# KiCad board MainPCB.kicad_pcb (continued)
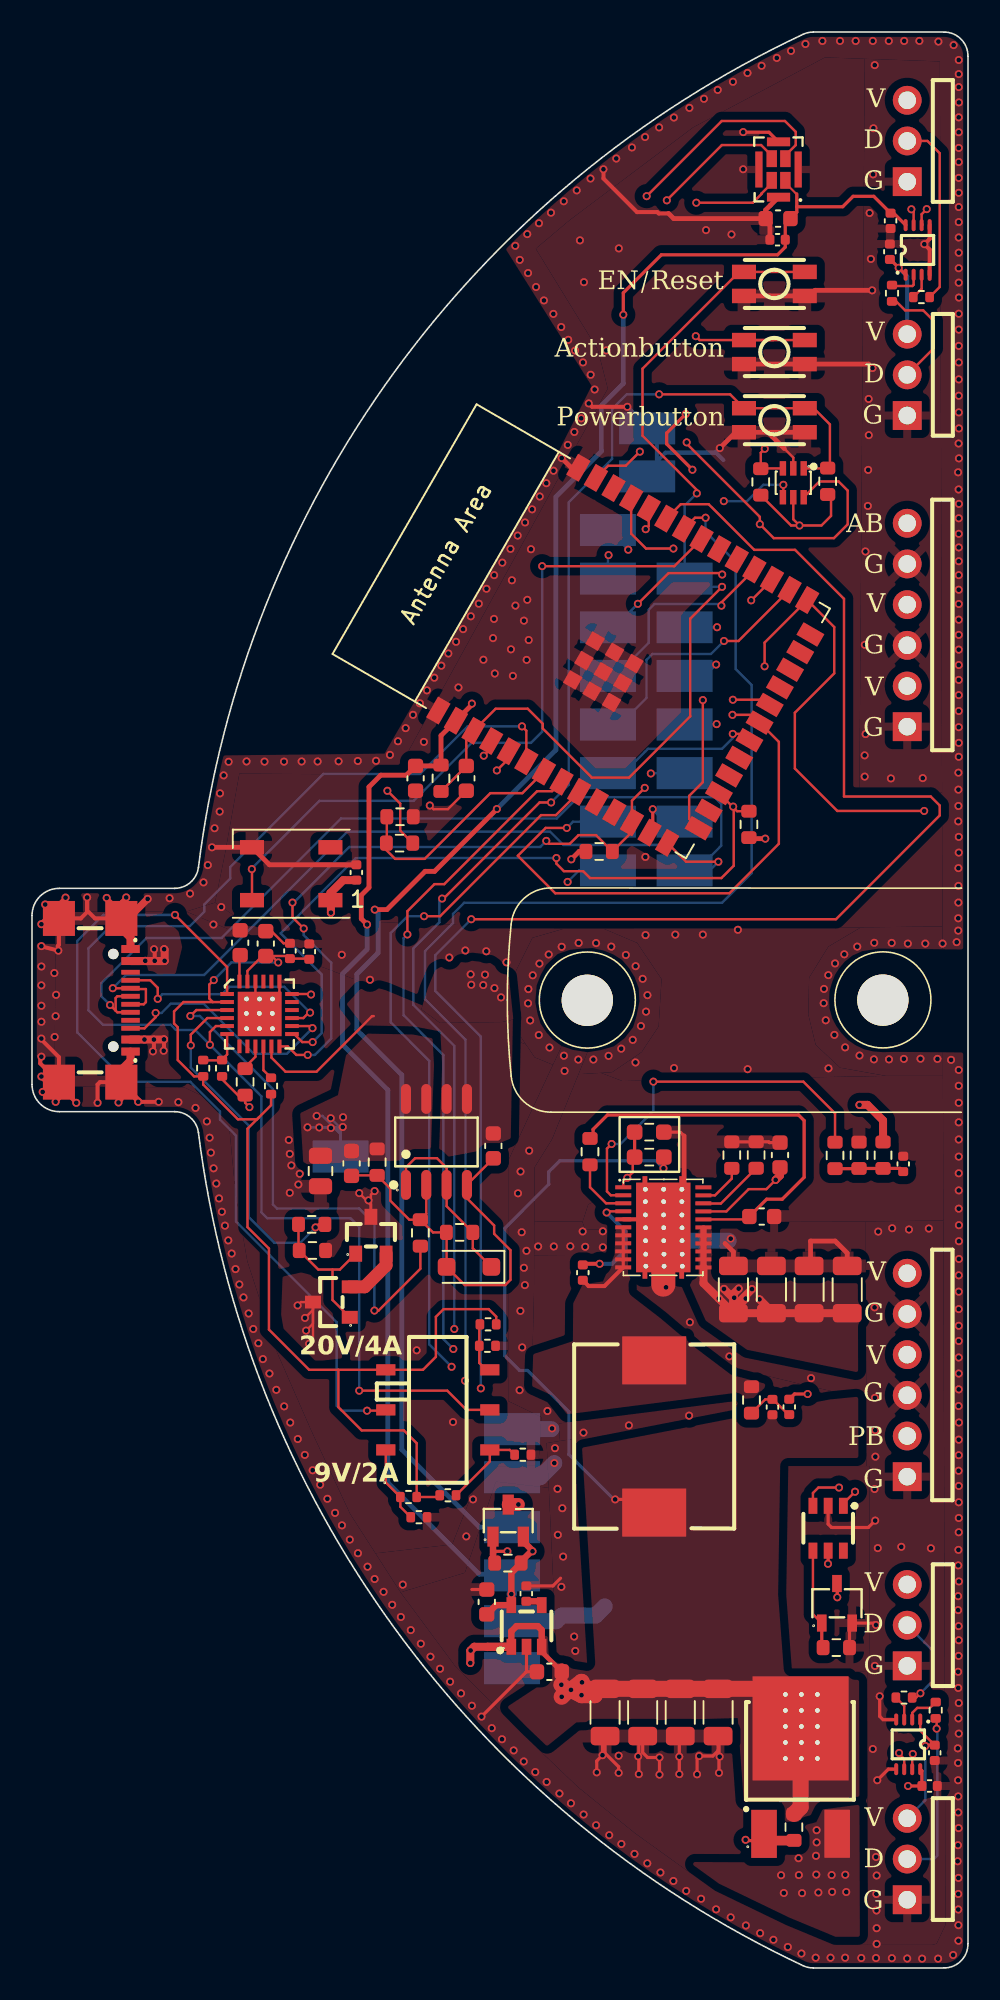
[diagram p0: board, top side]
## Routing (per net, layer and track width the routed paths; a pad name or vN(x,y) marks a point on that pad's centre or on a via; arc(x,y) is an arc through that point) (continued)
Net-(U11-G): length 47.2
  Top w0.2: v1(50.32,23.14) 50.32,23.98 U12.3 ; 47.61,7.97 47.59,7.95 ; v1(29.71,26.01) 28.99,26.01 28.81,25.83 ; U9.1 46.16,7.95 44.64,7.95 v1(44.59,8) ; 28.81,25.38 28.91,25.28
  Top w0.4: U11.1 28.81,25.38
  Top w0.6: 47.59,7.95 46.16,7.95
  In2.Cu w0.2: v1(29.71,26.01) 32.58,23.14 v1(50.32,23.14) 50.32,12.6 45.72,8 v1(44.59,8)
Net-(U13-BYP): length 1.1
  Top w0.4: U13.4 31.61,22.89 C22.2
Net-(U14-A1): length 2.2
  Top w0.15: U14.2 55,15.92 55.31,16.24 56.1,16.24 R26.1
Net-(U14-A2): length 1.6
  Top w0.15: U14.3 54.5,16.36 R27.1
Net-(U24-A1): length 2
  Top w0.15: R24.1 53.79,105 55.01,105 55.09,105.08 U24.2
Net-(U24-A2): length 1.6
  Top w0.15: U24.3 55.59,104.83 R25.1

## Copper pours and planes (outline as drawn; the poured copper is in the pictures)
5V AFTER MOSFET on Top: 49.4,9.9 49.01,9.1 48.21,8.9 48.17,7.24 46.86,7.24 46.59,6.59 39.97,6.62 44.06,3.89 48.49,1.6 52.24,1.13 52.29,10.27
5V AFTER MOSFET on Bottom: 50.87,45.04 55.89,45.16 55.88,42.12 50.79,42.12
5V AFTER MOSFET on Bottom: 50.85,39.74 55.87,39.86 55.86,36.82 50.77,36.82
5V AFTER MOSFET on Bottom: 50.84,86.68 55.86,86.8 55.85,83.76 50.76,83.76
5V AFTER MOSFET on Bottom: 51.03,118.32 56.05,118.44 56.04,115.4 50.95,115.4
5V AFTER MOSFET on Bottom: 50.94,103.68 55.96,103.8 55.95,100.76 50.86,100.76
5V AFTER MOSFET on Bottom: 60,-1.64 32.26,-2.55 33.82,21.28 32.5,36.01 40.64,44.33 36.25,55.92 37.82,63.99 44.76,65.9 46.24,68.74 46.34,90.13 43.39,95.12 43.59,124.05 63.56,124.46
5V AFTER MOSFET on Bottom: 51.13,25.33 56.15,25.45 56.14,22.41 51.05,22.41
5V AFTER MOSFET on Bottom: 50.82,81.57 55.84,81.69 55.83,78.65 50.74,78.65
5V AFTER MOSFET on Bottom: 51,10.82 56.02,10.94 56.01,7.9 50.92,7.9
+5V on Top: 31.42,20.73 32.66,20.73 32.8,19.34 34.04,18.74 33.03,32.22 49.85,35.49 51.99,35.7 52.1,30.41 51.95,10.4 49.01,9.1 46.92,9.13 46.86,10.34 44.48,10.37 44.1,15.6 34.02,15.33 31.66,13.42 29.11,15.92 32.2,17.95 32.33,18.49 31.29,19.37
+5V on Top: 16.82,43.42 15.66,43.16 15.57,40.78 15.72,39.91 17.73,37.87 19.41,38.06 18.79,40.85 18.16,43.08
+5V on Bottom: 31.6,20.25 27.12,20.28 26.81,18.3 32.28,16.24 34.93,16.19 35.19,18.21 33.03,18.9 31.18,20.21
+5V on Bottom: 46.38,19.28 51.72,19.16 51.76,11.14 46.43,11.29
+5V on In1.Cu: 45.18,21.56 45.15,8.2 46.44,5.88 51.31,6.49 51.27,20.41 46.44,21.55
+5V on In2.Cu: 18.23,65.9 17.4,64.67 23.94,61.3 24.58,60.69 24.39,56.08 23,46.35 19.72,46.07 18.91,46.66 17.5,51.18 11.7,51.41 14.7,40.54 19.02,30.81 24.26,22.25 30.58,14.67 35.38,16.3 42.7,16.23 42.55,18.48 33.24,18.33 31.35,18.17 24.69,26.81 21.32,32.32 18.4,37.7 16.65,44.66 22.08,44.92 23.72,45.31 24.38,47.72 25.68,56.36 25.64,61.4 24.93,62.5 19.59,65.62
GND on Top: 36.39,46.58 31.24,46.61 31.18,44.49 36.4,44.53
GND on Top: 21.07,25.84 26.26,26.44 28.14,31.23 31.65,31.41 31.83,34.39 29.76,35.39 29.76,50.4 33.1,57.55 34.71,57.17 32.5,51.74 31.4,49.97 31.37,42.15 31.25,37.28 31.25,36.31 32.53,35.73 33.5,34.48 33.26,30.65 33.16,29.87 28.99,30.36 27.05,24.67 23.03,23.45
GND on Top: 41.11,43.99 37.77,44.07 37.79,42.34 39.57,40.97 41.81,39.08 43.92,37.49 45.99,36.95 48.66,36.3 52.45,35.47 52.5,37 44.68,38.59 42.1,40.41 40.88,43.15 41.04,43.49
GND on Top: 36.39,46.58 35.74,46.87 35.78,47.56 35.92,47.76 35.62,48.1 34.76,47.67 34.4,46.56 34.57,46.11 36.04,46.1
GND on Top: 52.43,18.48 47.49,18.55 47.13,23.32 47.26,31.33 52.32,31.33 52.35,19.68
GND on Top: 32.93,33.99 44.03,35.4 44.2,34.09 33.03,32.22
GND on Top: 11.44,66.51 12.75,65.62 33.21,64.87 51.79,64.96 53.35,55.69 36.89,55.37 15.57,63.46 9.64,65.95
GND on Top: 33.83,33.03 34.69,19.05 32.8,19.34 32.16,32.77
GND on Top: 42.43,46.56 52.1,46.6 52.77,44.73 42.43,44.69
GND on Top, Bottom: 57.18,75.14 57.09,75.96 56.73,119.02 52.04,119.54 51.7,73.17 57.33,73.4
GND on Top, Bottom, In1.Cu, In2.Cu: 59.12,65.05 51.79,64.96 49.76,63.76 48.56,61.82 48.51,59.52 48.97,57.63 50.5,56.2 53.35,55.69 59.72,55.69
GND on Top, Bottom, In1.Cu, In2.Cu: -8.95,132.65 70.74,134.11 70.02,-8.91 -21.33,-6.36
GND on Top, Bottom, In1.Cu, In2.Cu: -89.12,146.67 187.27,148.31 188.58,-43.5 -90.1,-43.82 56.53,1.52 57.08,2.69 56.73,119.02 49.55,119.27 41.32,114.91 33.58,109.1 31.48,107.33 35.36,101.02 35.98,98.6 23.03,75.07 22.02,74.5 12.96,74.56 12.06,69.55 11.44,66.51 9.64,65.95 1.48,65.95 1.42,55.42 2.04,55.03 9.52,54.97 11.27,54.13 12.28,53 12.73,48.27 13.46,44.11 15.32,38.42 17.46,33.53 19.88,28.35 23.03,23.45 26.41,18.89 30.58,14.67 34.12,11.29 37.67,8.42 42.68,4.82 47.12,2.68 50.11,1.44 56.9,1.44 -88.33,-43.33
GND on Top, Bottom, In1.Cu, In2.Cu: 33.21,64.87 35.74,64.87 37.82,63.99 39.34,61.73 39.16,58.78 38.09,57.17 36.25,55.92 33.99,55.79 31.41,56.85 30.07,58.83 30.03,61.82 31.27,64.31
GND on Top, Bottom, In2.Cu: 57.14,45.57 57.2,45.34 57.65,1.2 52.24,1.13 52.1,46.6 57.31,46.67
GND on Bottom: 33.43,36.54 31.83,34.38 30.09,36.07 28.73,37.29 28.21,38.37 28.44,47.05 31.68,50.77 32.89,51.96 39.68,52.22 40.49,51.1 40.9,50.72 40.81,49.49 40.61,48.51 38.59,48.33 33.73,48.75 31.88,46.79 31.39,45.8 31.2,39.07
GND on Bottom: 38.58,59.07 36.25,55.92 37.61,51.71 40.2,52.46 41.24,54.19 41.71,55.82 40.31,56.79 38.47,58.41
GND on Bottom: 33.04,9.61 36.28,16.48 35.61,20.11 34.35,22.49 34.1,25.03 33.99,28.1 33.5,31.75 33.29,35.21 34.83,37.21 39.04,41.3 41.59,43.12 41.7,48.89 41.19,49.68 38.85,50.15 37.69,52.7 36.8,55.39 36.45,56.66 37.53,56.85 38.5,57.9 39.2,60.16 39.34,61.73 38.66,63.11 38.3,63.82 41.15,64.77 44.76,65.9 45.9,67.45 47.23,69.97 46.56,90.71 43.39,95.12 43.55,116.79 42.61,116.25 42.5,107.03 42.45,96.85 42.45,94.71 45.65,90.47 45.98,89.99 45.96,85.19 45.92,79.06 45.86,69.37 45.27,67.79 44.29,66.44 37.35,64.2 37.58,63.07 35.54,57.3 35.56,55.92 37.9,50.04 37.52,49.27 37.62,43 37.62,41.23 34.57,38.16 32.5,36.01 31.07,35.17 31.83,33.15 32.24,29.16 32.56,23.84 32.91,21.24 33.25,19.26 34.88,18.69 35.2,17.86 34.93,16.19 32.22,11.26
GND on Bottom: 33.37,31.25 35.98,28.56 36.87,28.5 37.28,29.06 37.25,29.81 36.48,30.46 34.18,32.62 34.14,34.75 33.75,35.56 33.16,36.01 33.78,36.39 34.82,35.39 35.01,33.35 35.37,32.63 37.83,30.72 38.37,29.73 37.92,28.25 36.76,27.41 35.77,27.73 34.54,28.46 33.58,29.45
GND on Bottom: 32.28,16.24 34.93,16.19 34.06,12.99 32.03,13.25
GND on In1.Cu: 36.75,49.6 43.02,49.54 42.17,42.64 36.42,42.67
GND on In1.Cu: -99.25,156.16 197.64,156.16 197.64,-53.45 -98.91,-53.8
GND on In2.Cu: 34.26,47.2 34.56,49.13 35,50.33 36.42,50.72 37.61,51.14 38.99,49.6 38.72,43.36 40.03,42.67 40.78,41.17 43.31,38.56 46.37,37.65 48.78,37.67 49.43,36.04 49.32,34.18 47.65,33.71 43.95,34.01 40.48,34.09 37.14,34.74 35.49,36.75 35.42,42.38 35.64,44.53
GND on In2.Cu: 25.99,61.02 26.76,60.82 26.76,58.22 26.8,55.29 26.25,51.65 25.83,47.8 25.17,44.38 23.5,43.67 18.79,43.34 18.75,41.67 20.2,39.62 21.53,37.94 21.95,34.39 26.6,26.78 28.71,23.6 32.03,19.5 34.45,19.74 43.09,19.91 43.88,19.79 44.23,15.2 43.53,14.44 35.59,14.71 33.83,13.95 31.77,12.52 30.29,13.99 32.12,14.7 35.66,15.78 42.5,15.74 43.16,16.16 42.55,18.48 42.06,18.88 31.81,18.53 31.35,18.17 26.46,25.14 20.2,35.06 18.49,38.75 17.24,44.16 21.31,44.56 23.72,45.31 24.54,46.45 25.25,51.48 26.08,55.85 26.12,59.15
GND on In2.Cu: 10.01,67.82 24.68,60.89 24.39,56.08 23.45,48.78 22.92,46.39 19.72,46.07 18.91,46.66 17.95,50.02 17.5,51.18 10.17,51.59 10.45,52.48 12.28,52.34 16.04,52.1 18.26,52.16 19.9,46.96 22.08,47.02 23.69,56.11 23.63,60.06 12.5,64.6 9.64,65.95
GND on In2.Cu: 24.91,45.6 24.3,44.15 25.49,41.03 33.66,38.3 35.49,36.75 36,38.36 36.05,39.62 36.27,49.9 26.25,51.65
GND on In2.Cu: 8.54,68.48 17.12,64.93 18.01,66.14 20.48,65.64 25.38,62.58 26.96,62.98 28.8,62.67 30.03,61.82 38.38,64.1 51.64,64.06 57.46,64.6 58.94,124.32 12.42,120.03
VBUS on Top: 19.09,48.93 19.08,47.4 18.33,45.04 18.79,44.25 19.7,45.66 23.17,45.41 23.09,47.55 22.89,49.04 19.37,48.99
VBUS on Top: 19.93,58.5 19.12,54.49 16.76,53.37 16.96,50.16 25.32,50.5 25.63,56.35 25.52,58.46 23.84,58.78 20.67,58.84
VBUS on Top: 6.69,63.23 6.84,62.37 7.21,62.02 8.97,62.05 9.39,63.73 9.06,65.17 8.44,65.38 6.94,65.03 6.63,64.25
VBUS on Top: 5.8,58.19 7.55,58.97 9.01,59.09 9.59,58.94 9.82,58.13 10.43,55.95 9.8,54.54 8.27,55.25 6.89,56.12 6.96,57.44
VBUS on Bottom: 17.81,54.34 16.95,52.86 17.09,49.46 21.29,49.34 21.14,51.65 18.69,54.16
VBUS on In2.Cu: -1.22,68.72 10.01,66.92 12.88,64.9 18.94,62.99 24.22,60.69 24.39,56.08 23.45,48.78 23.15,46.77 19.29,46.87 17.34,51.51 -2.02,52.92
USB_PD_IC_VDC_OUT on Top: 25.42,50.53 28.05,51.03 29.92,51.78 30.06,59.65 25.34,59.7 22.1,61.04 20.8,61.41 19.65,60.17 20.67,58.84 23.84,58.78 25.52,58.46 25.63,56.35
USB_PD_IC_VDC_OUT on Top: 41.31,46.35 41.09,42.67 42.1,40.41 44.68,38.59 52.5,37 52.19,43.08 43.5,43.05 42.43,44.69 42.5,46.16
USB_PD_IC_VDC_OUT on Top: 26.46,63 25.2,62.3 24.74,61.19 24.33,59.85 25.49,59 29.36,59.05 30.08,59.21 29.8,61.93 28.64,62.74
USB_PD_IC_VDC_OUT on In2.Cu: 23.63,63.79 51.64,64.06 52.83,36.67 25.57,40.56
Net-(C37-Pad2) on Top: 45.99,36.95 45.6,35.63 33.5,34.48 32.53,35.73 31.25,36.31 31.32,38.32 33.8,39.13 33.82,41.5 34.41,42.67 35.68,42.86 36.4,44.53 36.47,46.22 37.47,46.26 37.69,43.55 37.79,42.34 43.92,37.49

## Text on the board
B.Silkscreen: IO36/SPI SCK | IO13/I2S SCK | IO35/SPI MO | IO12/I2S WS | IO9/I2C SCL | IO8/I2C SDA | IO14/I2S SD | IO37/SPI MI | GND | IO1/PB | TX | EN | RX | IO3/AB | IO19/USB D- | IO20/USB D+ | 5V OUT | 5V I/O | 3.3V OUT | 3.3V I/O | VBUS | Documents: | bit.ly/3BGik9H | 5V | LED3/IO4 | LED1/IO42 | LED2/IO41 | LED4/IO5 | POWERBUTTON | ACTIONBUTTON | GlowLight/GlowTower v2.0 / Main PCB | DEV edition 2
F.Silkscreen: EN/Reset | Actionbutton | Powerbutton | G | V | AB | D | PB | 9V/2A | 20V/4A
